# Altium PCB Lora NG V2.1.PcbDoc
Units mm, origin at the board's own origin, x right, y up, seen from the top; angles counter-clockwise.
Board outline 46.02 x 32 mm, 2 copper layers (Top Layer, Bottom Layer); 53 components, 56 nets, 239 pads, 91 vias.
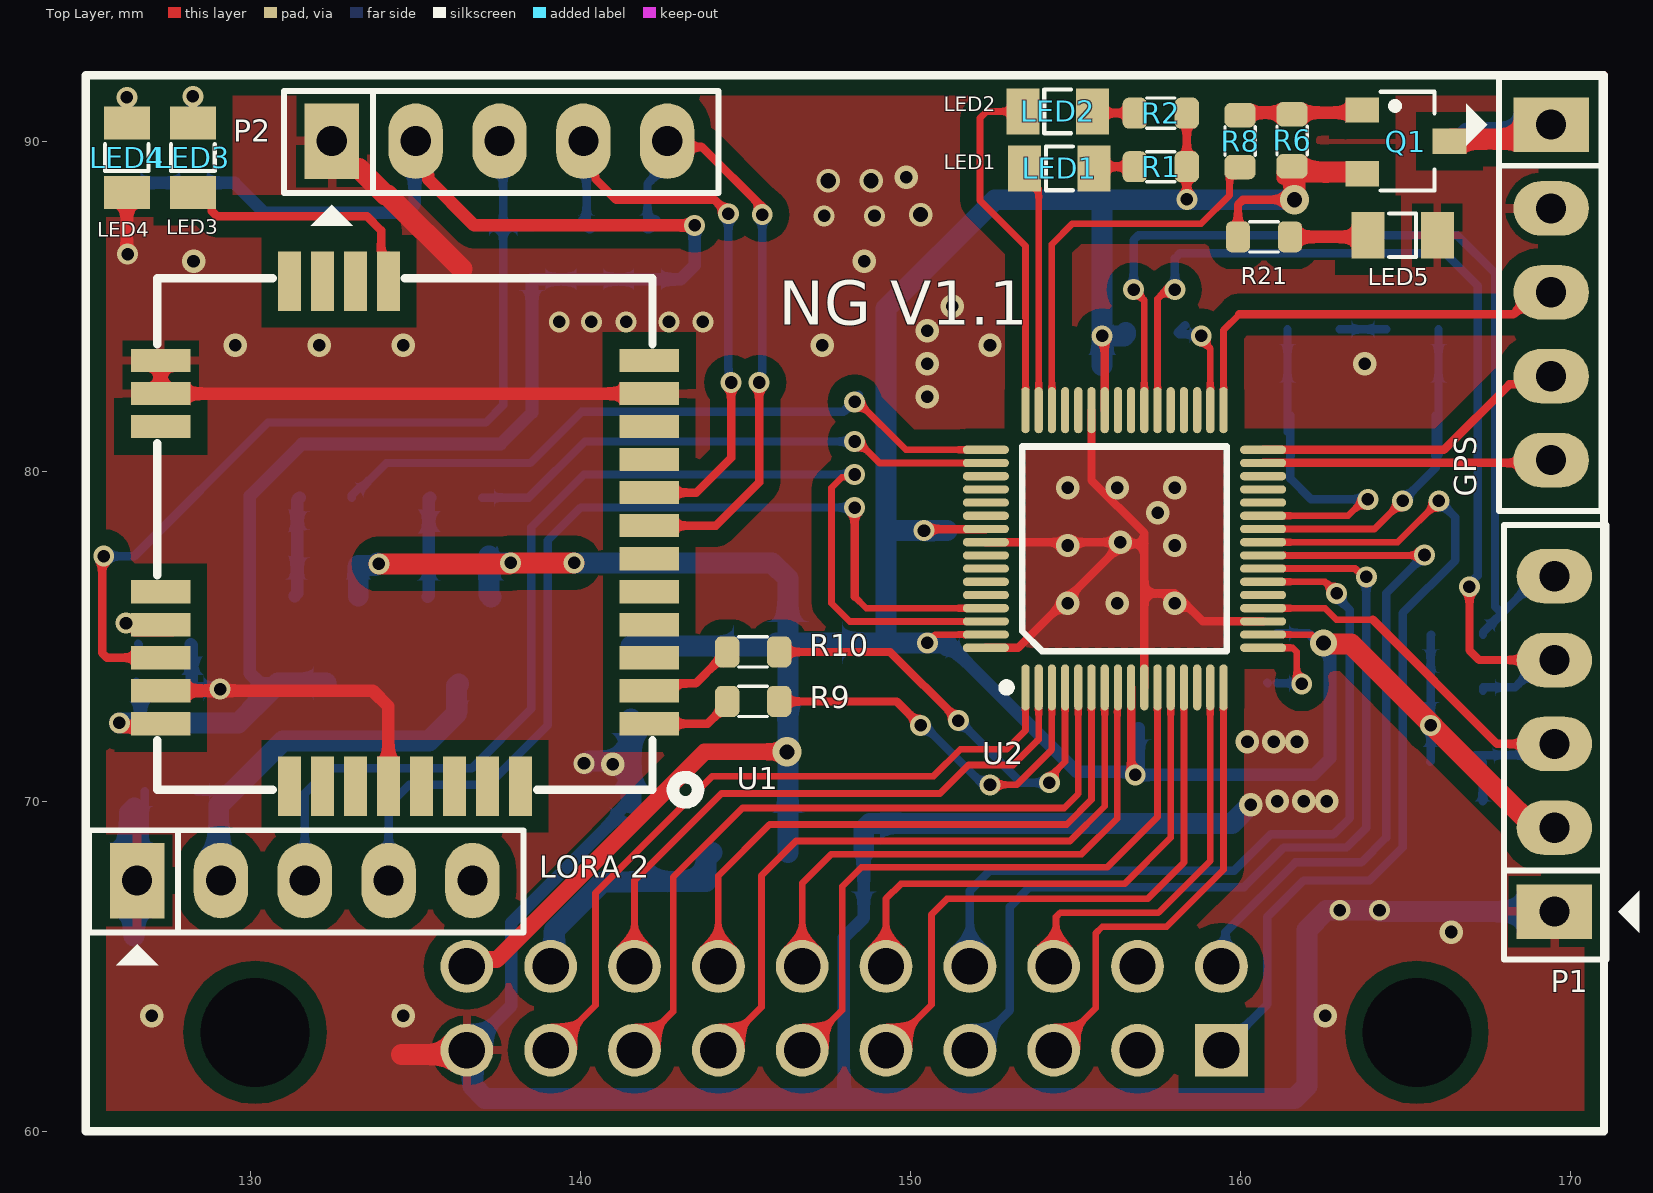
[diagram p0: Top Layer view]
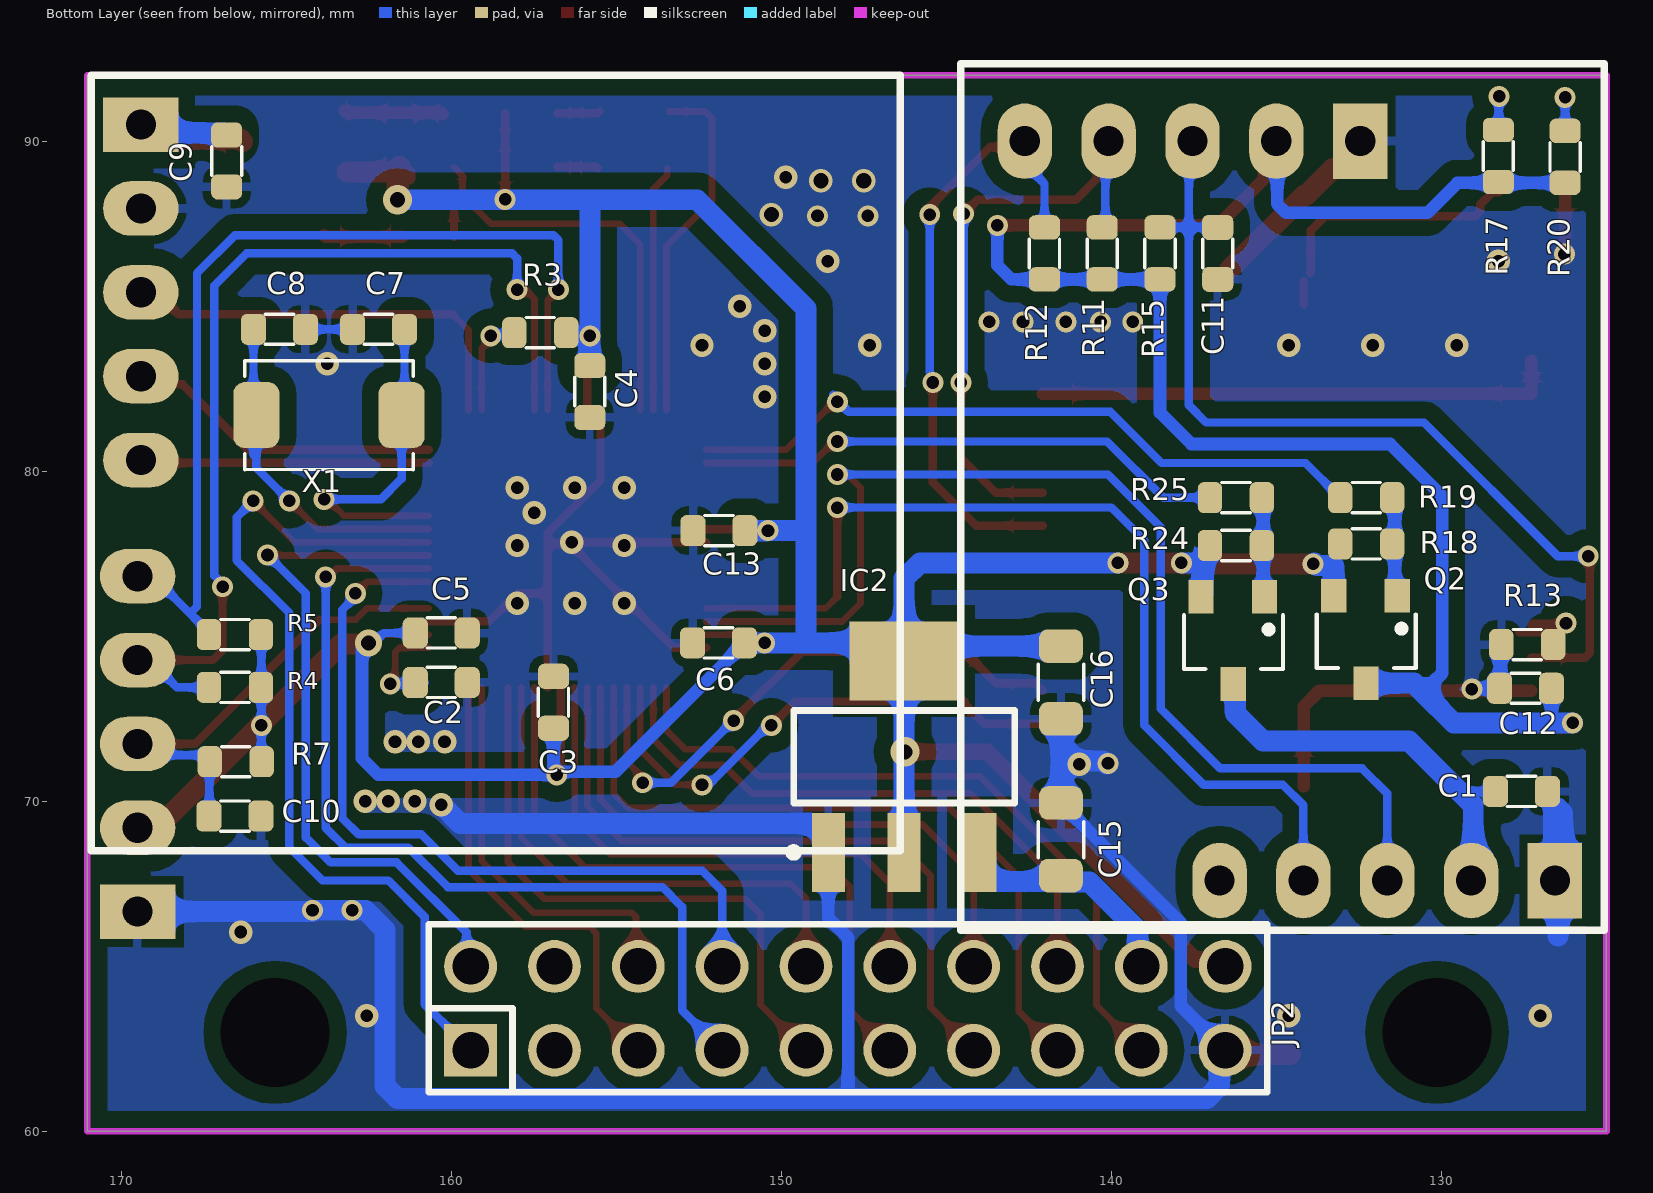
[diagram p1: Bottom Layer view, seen from below]
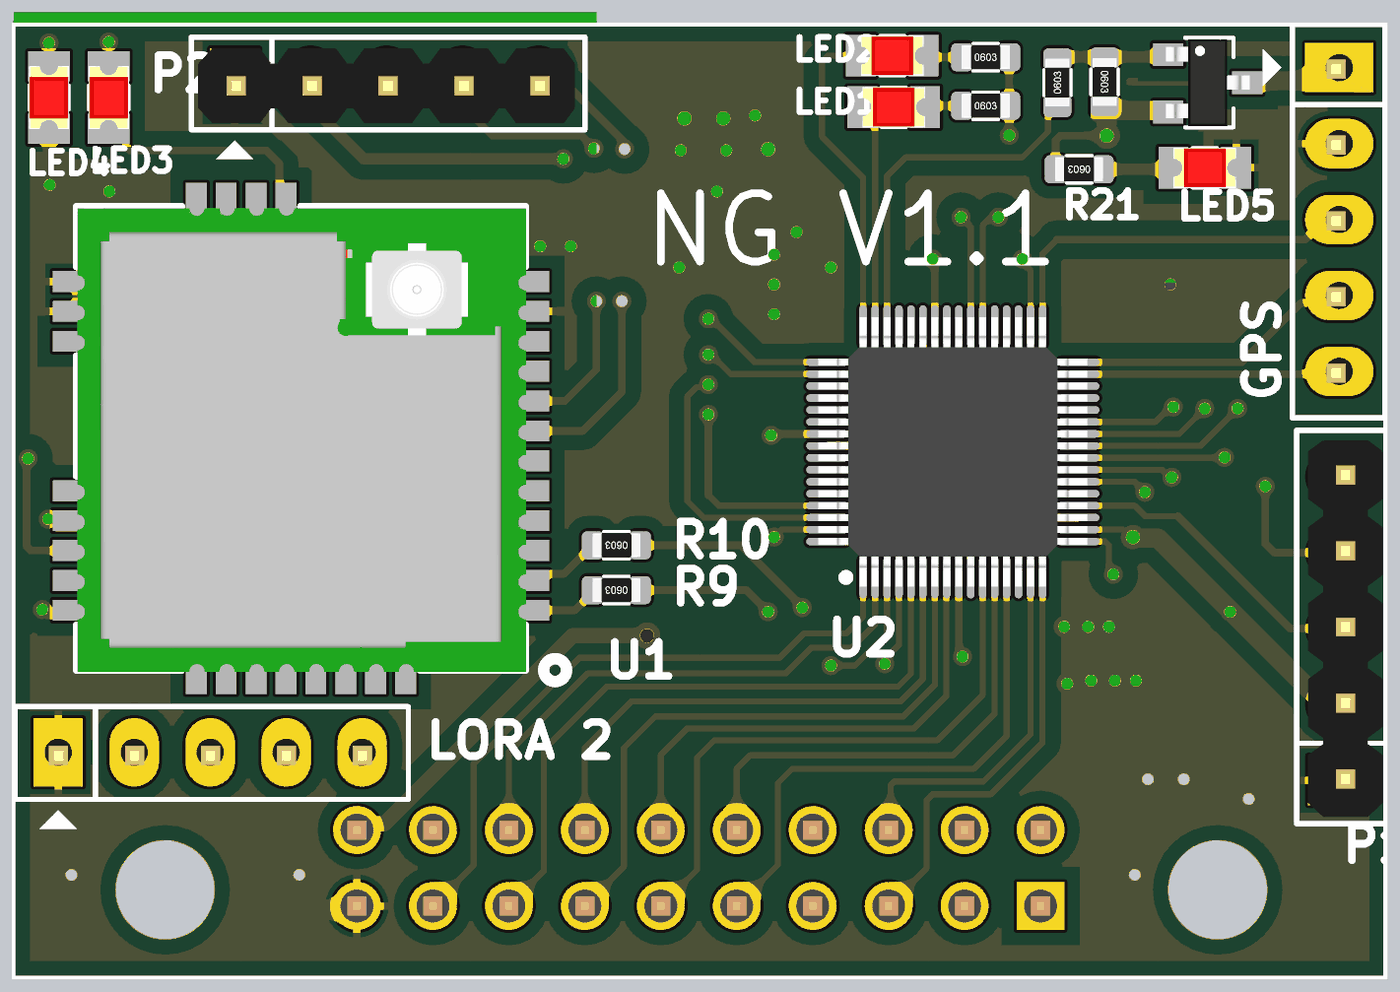
[diagram p2: 3D render of the assembled board from above, using the file's embedded part models]
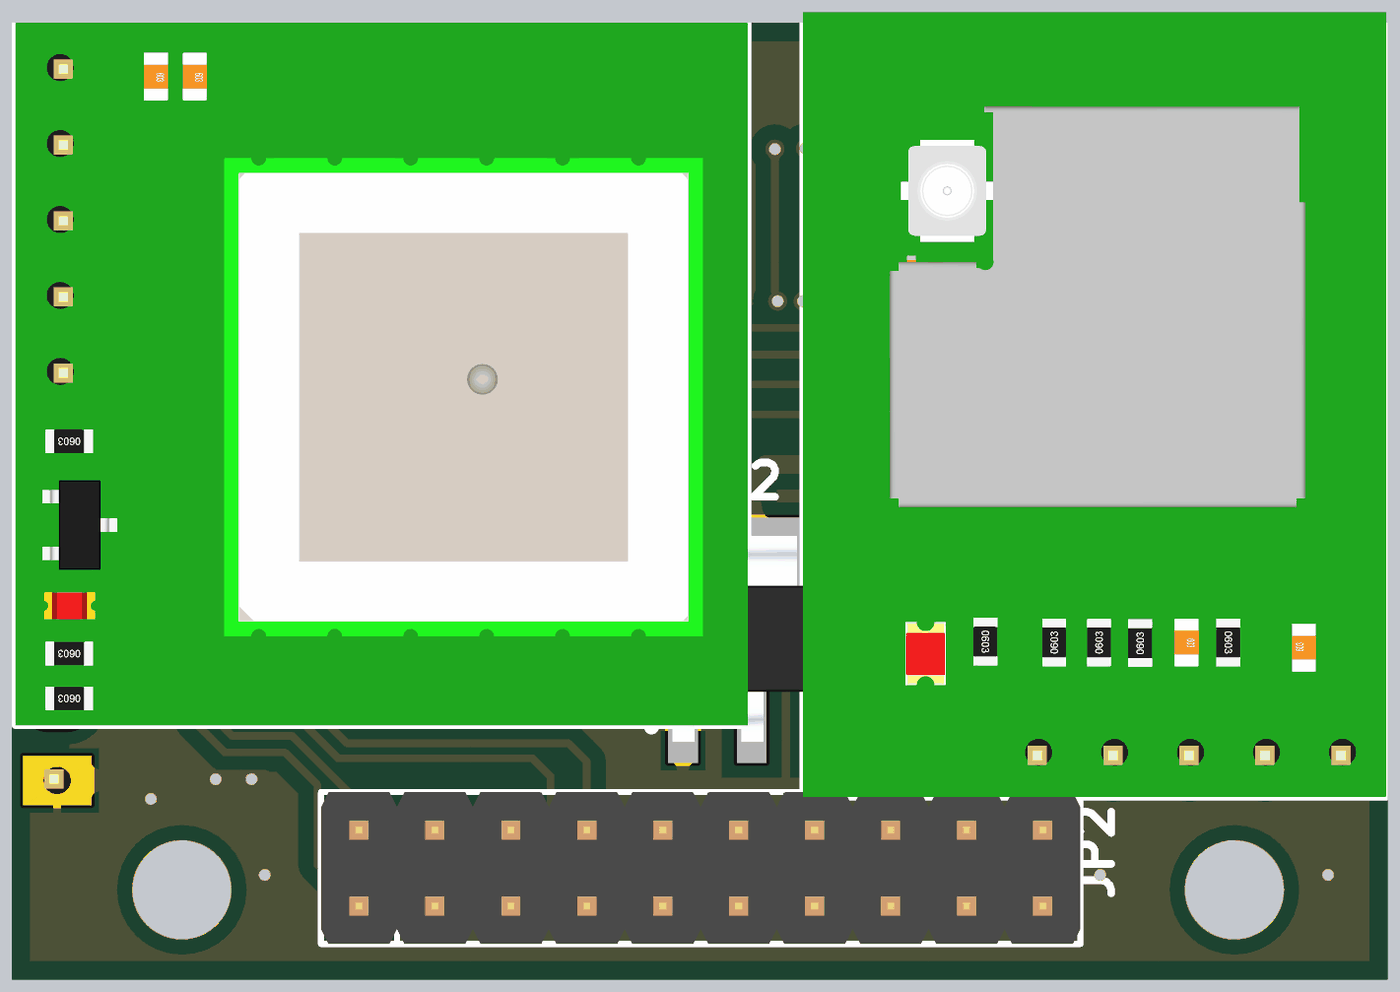
[diagram p3: 3D render of the assembled board from below, using the file's embedded part models]

## Layer stack, top to bottom
Top Solder: solder mask 0.0102, Solder Resist, Dk 3.5
Top Layer: signal copper 0.0356
Dielectric 1: dielectric 0.32, FR-4, Dk 4.8
Bottom Layer: signal copper 0.0356
Bottom Solder: solder mask 0.0102, Solder Resist, Dk 3.5

## Board outline
125,60 171.025,60 171.025,92 125,92

## Design rules (kind name [scope] priority, off if disabled: settings)
Clearance Clearance_2 [InPolygon] p1: gap=0.508 ignorepadtopadclearanceinfootprint=FALSE
Clearance Clearance_1 [OnLayer('Keep-Out Layer')] p2: gap=0.076 ignorepadtopadclearanceinfootprint=FALSE
Clearance [All] p3: gap=0.127 ignorepadtopadclearanceinfootprint=FALSE
PolygonConnect PolygonConnect_1 [isvia] p1: connectstyle=Direct reliefconductorwidth=0.254 reliefentries=4 polygonreliefangle="90 Angle" airgapwidth=0.254
PolygonConnect [All] p2: connectstyle=Relief reliefconductorwidth=0.254 reliefentries=4 polygonreliefangle="90 Angle" airgapwidth=0.254
RoutingVias [All] p1: holewidth=0.381 width=0.635 viastyle="Through Hole" minholewidth=0.381 minwidth=0.635 maxholewidth=0.381 maxwidth=0.635
SolderMaskExpansion [All] p1: expansion=0.102
Width [All] p1: maxlimit=0.635 minlimit=0.203 preferedwidth=0.254
30 further rules are at their usual default settings.

## Classes and differential pairs
component class "lora RAK3172": C11 LED3 LED4 P2 R9 R10 R11 R12 R13 R15 R17 R20 U1
component class HT32F12364: C1 C2 C3 C4 C5 C6 C7 C8 C9 C10 C12 C13 C15 C16 GPS IC2 JP2 LED1 LED2 LED5 "LORA 2" P1 Q1 Q2 Q3 R2 R3 R4 R5 R6 R7 R8 R18 R19 R21 R24 R25 U2 X1

## Components (designator, comment, footprint, x,y, rotation, side; value= is the part's Value field where it differs from the comment)
C1 "1uF" C-0603 127.575,70.3 r180 bottom value=103
C2 "2.2uF" C-0603 160.3,73.6 r180 bottom value=103
C3 "100nF" C-0603 156.9,73 r90 bottom value=103
C4 "100nF" C-0603 155.8,82.413 r270 bottom value=103
C5 "100nF" C-0603 160.3,75.1 r180 bottom value=103
C6 "100nF" C-0603 151.9,74.8 r0 bottom value=103
C7 "12pF" C-0603 165.2,84.3 r180 bottom value=103
C8 "12pF" C-0603 162.2,84.3 r0 bottom value=103
C9 "1uF" C-0603 166.8,89.4 r270 bottom value=103
C10 "100nF" C-0603 166.55,69.55 r180 bottom value=103
C11 "100nF" C-0603 136.775,86.6 r270 bottom value=103
C12 "1uF" C-0603 127.45,73.425 r0 bottom value=103
C13 "100nF" C-0603 151.887,78.2 r0 bottom value=103
C15 "10uF" C-0805 141.525,68.85 r270 bottom value=100nF
C16 "10uF" C-0805 141.525,73.6 r90 bottom value=100nF
GPS "Neo-6m" "QUECTEL L80 MODULE" 170.9,92 r0 top locked
IC2 "LM1117-3.3V" SOT223-4N 146.275,71.35 r90 bottom
JP2 "JP10x2" JP10-D2T 147.98,63.73 r180 bottom
LED1 "LED" LED-0805 154.5,89.175 r180 top value="LED 3 ly Single Colour"
LED2 "LED" LED-0805 154.45,90.9 r180 top value="LED 3 ly Single Colour"
LED3 "LED" LED-0805 128.25,89.5 r270 top value="LED 3 ly Single Colour"
LED4 "LED" LED-0805 126.25,89.5 r270 top value="LED 3 ly Single Colour"
LED5 "LED RED" LED-0805 164.9,87.15 r0 top value="LED 3 ly Single Colour"
"LORA 2" "Header 5" "RAK3172 MODULE 2" 126.56,67.6 r0 top locked
P1 "Header 5" JP5 169.5,66.66 r90 top
P2 "Header 5" JP5 132.46,90 r0 top
Q1 "IRLML6401" SOT23 165,90 r270 top
Q2 "IRLML6401" SOT23 132.275,74.9 r0 bottom
Q3 "IRLML6401" SOT23 136.3,74.875 r0 bottom
R1 "1k" R-0603 157.575,89.225 r0 top value="R1/4W - 1K"
R2 "1k" R-0603 157.575,90.85 r0 top value="R1/4W - 1K"
R3 "10K" R-0603 157.3,84.2 r0 bottom value="R1/4W - 1K"
R4 "10k" R-0603 166.55,73.45 r0 bottom value="R1/4W - 1K"
R5 "10k" R-0603 166.55,75.05 r0 bottom value="R1/4W - 1K"
R6 "10k" R-0603 161.55,90.025 r270 top value="R1/4W - 1K"
R7 "10k" R-0603 166.525,71.2 r180 bottom value="R1/4W - 1K"
R8 "100R" R-0603 159.975,90 r90 top value="R1/4W - 1K"
R9 "1k" R-0603 145.225,73.025 r180 top value="R1/4W - 1K"
R10 "1k" R-0603 145.225,74.525 r180 top value="R1/4W - 1K"
R11 "10k" R-0603 140.275,86.6 r90 bottom value="R1/4W - 1K"
R12 "10k" R-0603 142.025,86.6 r90 bottom value="R1/4W - 1K"
R13 "10k" R-0603 127.4,74.75 r180 bottom value="R1/4W - 1K"
R15 "10k" R-0603 138.525,86.6 r270 bottom value="R1/4W - 1K"
R17 "1k" R-0603 128.275,89.55 r270 bottom value="R1/4W - 1K"
R18 "10k" R-0603 132.275,77.8 r0 bottom value="R1/4W - 1K"
R19 "100R" R-0603 132.275,79.2 r180 bottom value="R1/4W - 1K"
R20 "1k" R-0603 126.25,89.525 r270 bottom value="R1/4W - 1K"
R21 "1k" R-0603 160.7,87.1 r180 top value="R1/4W - 1K"
R24 "10k" R-0603 136.225,77.75 r0 bottom value="R1/4W - 1K"
R25 "100R" R-0603 136.225,79.2 r180 bottom value="R1/4W - 1K"
U1 "RAK3172" "RAK3172 MODULE" 142.175,70.35 r270 top
U2 "Holtek-HT32F12364" LQFP-64PIN-7mmx7mm 153.475,73.45 r90 top
X1 "8Mhz" "XT2 - DAN - 5032" 163.7,81.7 r180 bottom value=4Mhz

## Footprints (in the part's own frame and the unit in brackets; to place one, negate y for a bottom-side part, rotate by r counter-clockwise, add the part's x,y. Pads: shape width x height; smd on the part's side, far side on the other; paste and mask are expansions set on the pad)
C-0603 [mil] "Chip Capacitor; Body 1.6 x 0.8 mm (LxW typ)"
  rrect50% 30x37 smd: 1(-31,0) 2(31,0)
  silkscreen extent -17,-18 17,18, body extent -31,-16 31,16, height 12
C-0805 [mil] "Compoment SMD 80x50mil"
  rrect50% 40x52 smd: 1(-43.31,0) 2(43.31,0)
  silkscreen extent -21,-27 22,27, body extent -39,-26 39,24, height 31
JP5 [mil] "JP5"
  rect 65x90 hole 36: 1(0,0)
  oval 65x90 hole 36: 2(100,0) 3(200,0) 4(300,0) 5(400,0)
  silkscreen extent -57,-101 461,60, body extent -48,-53 448,45, height 323
JP10-D2T [mm] "20 pins, dual pin, straight, gold plating"
  rect 1.6x1.6 hole 1.1: 1(-11.43,-1.27)
  round 1.6 hole 1.1: 2(-8.89,-1.27) 3(-6.35,-1.27) 4(-3.81,-1.27) 5(-1.27,-1.27) 6(1.27,-1.27) 7(3.81,-1.27) 8(6.35,-1.27) 9(8.89,-1.27) 10(11.43,-1.27) 11(11.43,1.27) 12(8.89,1.27) 13(6.35,1.27) 14(3.81,1.27) 15(1.27,1.27) 16(-1.27,1.27) 17(-3.81,1.27) 18(-6.35,1.27) 19(-8.89,1.27) 20(-11.43,1.27)
  silkscreen extent -12.7,-2.54 12.7,2.54, body extent -12.7,-2.54 12.7,2.54, height 8.55
LED-0805 [mm]
  rect 1x1.397 smd: 1(-1.05,0) 2(1.05,0)
  silkscreen extent -0.41,-0.66 0.41,0.66, body extent -1.05,-0.67 1.05,0.68, height 0.9
LQFP-64PIN-7mmx7mm [mm]
  oval 1.4x0.25 smd: 1(0,0) 2(0,-0.4) 3(0,-0.8) 4(0,-1.2) 5(0,-1.6) 6(0,-2) 7(0,-2.4) 8(0,-2.8) 9(0,-3.2) 10(0,-3.6) 11(0,-4) 12(0,-4.4) 13(0,-4.8) 14(0,-5.2) 15(0,-5.6) 16(0,-6) 33(8.4,-6) 34(8.4,-5.6) 35(8.4,-5.2) 36(8.4,-4.8) 37(8.4,-4.4) 38(8.4,-4) 39(8.4,-3.6) 40(8.4,-3.2) 41(8.4,-2.8) 42(8.4,-2.4) 43(8.4,-2) 44(8.4,-1.6) 45(8.4,-1.2) 46(8.4,-0.8) 47(8.4,-0.4) 48(8.4,0)
  oval 0.25x1.4 smd: 17(1.2,-7.2) 18(1.6,-7.2) 19(2,-7.2) 20(2.4,-7.2) 21(2.8,-7.2) 22(3.2,-7.2) 23(3.6,-7.2) 24(4,-7.2) 25(4.4,-7.2) 26(4.8,-7.2) 27(5.2,-7.2) 28(5.6,-7.2) 29(6,-7.2) 30(6.4,-7.2) 31(6.8,-7.2) 32(7.2,-7.2) 49(7.2,1.2) 50(6.8,1.2) 51(6.4,1.2) 52(6,1.2) 53(5.6,1.2) 54(5.2,1.2) 55(4.8,1.2) 56(4.4,1.2) 57(4,1.2) 58(3.6,1.2) 59(3.2,1.2) 60(2.8,1.2) 61(2.4,1.2) 62(2,1.2) 63(1.6,1.2) 64(1.2,1.2)
  silkscreen extent -0.12,-6.1 7.3,0.7, body extent -0.3,-7.5 8.7,1.5, height 1.45
"QUECTEL L80 MODULE" [mil]
  rect 90x65 hole 36: 1(-59.06,-59.06)
  oval 90x65 hole 36: 2(-59.06,-159.06) 3(-59.06,-259.06) 4(-59.06,-359.06) 5(-59.06,-459.06)
  silkscreen extent -160,-520 1,-2, body extent -965,-925 0,0, height 205
R-0603 [mil] "Chip Capacitor; Body 1.6 x 0.8 mm (LxW typ)"
  rrect50% 29x37 smd: 1(-31,0) 2(31,0)
  silkscreen extent -17,-18 17,18, body extent -31,-16 31,16, height 17
"RAK3172 MODULE" [mm]
  rect 0.7x1.8 smd: 1(-2,-0.1) 2(-3,-0.1) 3(-4,-0.1) 4(-5,-0.1) 5(-6,-0.1) 6(-7,-0.1) 7(-8,-0.1) 8(-9,-0.1) 9(-10,-0.1) 10(-11,-0.1) 11(-12,-0.1) 12(-13,-0.1) 17(-13,-14.9) 18(-12,-14.9) 19(-11,-14.9) 20(-6,-14.9) 21(-5,-14.9) 22(-4,-14.9) 23(-3,-14.9) 24(-2,-14.9)
  rect 1.8x0.7 smd: 13(-15.4,-8) 14(-15.4,-9) 15(-15.4,-10) 16(-15.4,-11) 25(-0.1,-11) 26(-0.1,-10) 27(-0.1,-9) 28(-0.1,-8) 29(-0.1,-7) 30(-0.1,-6) 31(-0.1,-5) 32(-0.1,-4)
  silkscreen extent -15.5,-15 0.38,1.38, body extent -15.45,-14.97 0.05,0.02, height 3.5
"RAK3172 MODULE 2" [mil]
  rect 65x90 hole 36: 1(0,0)
  oval 65x90 hole 36: 2(100,0) 3(200,0) 4(300,0) 5(400,0)
  silkscreen extent -57,-101 461,60, body extent -59,-59 709,974, height 205
SOT23 [mil] "SOT 23 _ 1-3-2"
  rect 30x40 smd: 1(-37,-52) 2(38.8,-52) 3(0.2,52)
  silkscreen extent -59,-30 59,34, body extent -57,-55 57,55, height 51
SOT223-4N [mm] "SOT223, 4-Leads, Body 6.5x3.5mm, Pitch 2.3mm, Lead Span 7mm, IPC Medium Density"
  rect 2.4x1 smd: 1(-2.9,2.3) 2(-2.9,0) 3(-2.9,-2.3)
  rect 2.4x3.3 smd: 4(2.9,0)
  silkscreen extent -3.02,-3.35 1.4,3.48, body extent -3.39,-3.27 3.5,3.23, height 1.72
"XT2 - DAN - 5032" [mm]
  rrect50% 1.4x2 smd: 1(-2.2,0) 2(2.2,0)
  silkscreen extent -2.56,-1.65 2.56,1.65, body extent -2.5,-1.6 2.5,1.6, height 1.3

## Part data
C1 C2 C3 C4 C5 C6 C7 C8 C9 C10 C11 C12 C13: library part C, "Cap SMD"
C15 C16: library part CAP, "Cap np  1pF - 472pF"
GPS: library part JP5
IC2: library part LM1117, Creator="Nguyen Ba Bien", Website=http://group3i.net
JP2: library part CON10X2, "Conector 10x2"
LED1 LED2 LED3 LED4: "LED Single colour Green and Red"
LED5: library part LED, "LED Single colour Green and Red"
"LORA 2" P1 P2: "Header, 5-Pin", LatestRevisionDate=17-Jul-2002, LatestRevisionNote="Re-released for DXP Platform.", Publisher="Altium Limited"
Q1 Q2 Q3: library part IRLML6302, "HEXFET Power MOSFET", ComponentLink1Description="Manufacturer Link", ComponentLink1URL=http://www.irf.com/, ComponentLink2Description=Datasheet, ComponentLink2URL=http://www.irf.com/product-info/datasheets/data/irlml6302.pdf, DatasheetVersion=Aug-1997, LatestRevisionDate=17-Jul-2002, LatestRevisionNote="Re-released for DXP Platform.", PackageDescription="SOT-23; 3 Leads; Body 3.1 x 2.5 mm, inc. leads (LxW max)", PackageReference=SOT-23, Published=8-Jun-2000, Publisher="Altium Limited"
R1 R2 R3 R4 R5 R6 R7 R8 R9 R10 R11 R12 R13 R15 R17 R18 R19 R20 R21 R24 R25: library part RES, "Resistor 1/4W"
U1: "LORA MODULE"
U2: "http://admin.epi-tech.com.vn//files/20210803/20210803162044_HT32F12364.pdf"
X1: library part XT2, "Crystal For all Crystal 2pin."

## Free pads (board coordinates)
  round 0 hole 3.3: 0(130.134,63) 0(130.134,63) 0(130.134,63) 1(165.334,63) 1(165.334,63) 1(165.334,63)

## Via types
v1: diameter 0.635, hole 0.381, Top Layer to Bottom Layer, tented both sides, 50 vias
v2: diameter 0.711, hole 0.381, Top Layer to Bottom Layer, tented both sides, 35 vias
v3: diameter 0.711, hole 0.457, Top Layer to Bottom Layer, tented both sides, 3 vias
v4: diameter 0.889, hole 0.457, Top Layer to Bottom Layer, tented both sides, 2 vias
v5: diameter 0.813, hole 0.457, Top Layer to Bottom Layer, tented both sides, 1 vias

## Nets (pads, with @x,y where several pads share a name; then routed paths per layer and width w, separated by ;. In a path a pad name is that pad's centre, name@x,y a point inside that pad or via, vN(x,y) a via of type N, cw(c..) or ccw(c..) an arc to the next point about the centre after c; other vN are vias at no path point)
"3V3 LORA": C12.1 P2.2 Q2.3 R11.1 R12.1 R15.2 R17.2 R20.2 U1.24 | length 56.4
  Top Layer w0.381: v1(126.025,72.375) 126.149,72.251 127.176,72.251 U1.24 ; P2.2 135,89.339 135.378,88.961 135.378,88.847 136.775,87.45 v1(143.45,87.45)
  Bottom Layer w0.254: C12.1@126.525,73.612 C12.1@126.538,73.625
  Bottom Layer w0.381: R20.2 129.512,88.738 130.425,87.825 134.7,87.825 134.975,88.1 134.975,89.975 P2.2 ; 126.575,72.375 126.663,72.463 C12.1 ; 130.55,73.3 129.975,73.875 129.975,79.25 131.55,80.825 137.575,80.825 138.525,81.775 R15.2 R11.1 R12.1 143.025,85.813 143.45,86.238 v1(143.45,87.45)
  Bottom Layer w0.635: v1(126.025,72.375) 126.575,72.375 129.625,72.375 130.55,73.3 130.829,73.579 Q2.3
"3V3 LORA2": "LORA 2.2" C1.1 Q3.3 | length 12.5
  Bottom Layer w0.254: C1.1 129.45,70.3 129.512,70.362
  Bottom Layer w0.635: 129.035,67.725 129.035,69.885 129.45,70.3 ; 129.512,70.362 130.975,71.825 135.4,71.825 136.242,72.667 136.242,73.491 Q3.3
+3.3V: C3.1 C4.1 C5.1 C6.1 C13.1 C16.2 IC2.2 IC2.4 JP2.11 P1.2 Q1.2 Q2.2 Q3.2 R1.2 R2.2 R3.1 R4.1 R5.1 R6.2 R7.2 R18.2 R21.2 R24.2 U2.9 U2.18 U2.42 U2.55 U2.63 | length 128.8
  Top Layer w0.203: v1(150.5,74.8) 150.75,75.05 U2.63 ; U2.18 162.15,75.05
  Top Layer w0.254: v1(150.4,78.2) 150.448,78.248 152.273,78.248 U2.55 ; v1(155.8,84.1) 155.875,84.025 U2.42 ; U2.9 156.675,70.925 v1(156.8,70.8) ; v1(158.362,88.238) R1.2 R2.2 ; R21.2 159.913,88.076 160.061,88.225 v4(161.625,88.225)
  Top Layer w0.381: R6.2@161.271,88.882 R6.2@161.271,89.06 ; 163.159,89.06 Q1.2@163.229,88.99
  Top Layer w0.508: JP2.11 136.759,65.209 137.459,65.209 143.75,71.5 v4(146.25,71.5)
  Top Layer w0.635: v1(133.884,77.191) 137.841,77.191 v1(137.875,77.225) v1(139.8,77.225) ; R6.2 161.574,89.238 161.625,89.187 R6.2@161.625,89.06 ; v4(161.625,88.225) R6.2@161.625,89.06 ; v5(162.5,74.8) 162.534,74.766 163.334,74.766 168.419,69.681 168.427,69.681 168.908,69.2 P1.2 ; 163.159,89.06 R6.2@161.625,89.06
  Bottom Layer w0.254: v1@158.3,88.3 v1(158.362,88.238) ; C5.1 162.049,75.1 162.349,74.8 v5(162.5,74.8) ; R7.2 165.75,71.212 v1(165.75,72.3) 165.75,75.037 R5.1
  Bottom Layer w0.381: C6.1@151.113,74.711 151.303,74.521 151.392,74.521 155.013,70.9 v1@156.52,70.9 ; v1(156.8,70.8) 162.2,70.8 162.7,71.3 v5@162.7,74.483 ; v1@156.9,70.969 C3.1
  Bottom Layer w0.635: Q2.2 133.26,77.15 133.775,77.15 133.85,77.225 v1(133.884,77.191) ; Q3.2 137.222,76.259 137.222,77.439 137.436,77.225 v1(137.875,77.225) ; v1(139.8,77.225) 145.8,77.225 146.275,76.75 IC2.4@146.275,74.8 ; C16.2 145.825,74.7 145.925,74.8 IC2.4@146.275,74.8 ; IC2.2 IC2.4 IC2.4@146.275,74.8 ; 149.3,78.2 v1(150.4,78.2) C13.1 ; C6.1@151.113,74.711 151.113,74.737 151.049,74.8 v1(150.5,74.8) 149.275,74.8 ; C4.1 v1(155.8,84.1) ; R3.1 156.513,84.151 156.462,84.1 v1(155.8,84.1) ; v1@158.3,88.225 155.9,88.225 ; v1@158.362,88.225 v4(161.625,88.225) ; IC2.4@146.275,74.8 149.275,74.8 ; 149.275,74.8 149.25,74.825 149.25,84.925 152.55,88.225 155.9,88.225 ; v1(155.8,84.1) 155.8,88.125 155.9,88.225
+5V: C15.2 IC2.3 JP2.12 | length 7.3
  Bottom Layer w0.635: JP2.12 139.199,65.109 139.199,66.099 140.659,67.559 141.517,67.559 141.525,67.567 143.792,67.567 143.792,68.267 IC2.3
ADC1: JP2.9 U2.1 | length 21.7
  Top Layer w0.203: JP2.9 140.45,63.82 140.45,67.225 143.987,70.763 150.687,70.763 151.5,71.575 152.9,71.575 153.475,72.15 U2.1
ADC3: JP2.14 U2.6 | length 18.4
  Top Layer w0.203: JP2.14 144.17,67.745 145.725,69.3 154.725,69.3 155.475,70.05 U2.6
ADC4: JP2.15 U2.8 | length 16.8
  Top Layer w0.203: JP2.15 146.71,67.51 147.6,68.4 155.175,68.4 156.254,69.479 156.254,73.429 U2.8
ADC8: JP2.7 U2.7 | length 20.7
  Top Layer w0.203: JP2.7 145.475,63.765 145.475,67.75 146.525,68.8 154.825,68.8 155.875,69.85 U2.7
ADC14: JP2.8 U2.5 | length 22.3
  Top Layer w0.203: JP2.8 142.8,63.63 142.8,67.7 144.9,69.8 154.65,69.8 155.075,70.225 U2.5
BOOT0: R3.2 U2.34 | length 3.4
  Top Layer w0.203: v1(158.8,84.1) 158.8,83.983 159.075,83.708 U2.34
  Bottom Layer w0.254: R3.2@158.315,84.427 R3.2 158.137,84.15 158.75,84.15 v1(158.8,84.1)
DALI_RX: JP2.20 U2.24 | length 21.1
  Top Layer w0.203: U2.24 165.55,77.45 v1(165.562,77.462)
  Bottom Layer w0.254: JP2.20 159.532,65.122 159.532,66.032 161.65,68.15 163.65,68.15 164.4,68.9 164.4,76.3 v1(165.562,77.462)
DALI_TX: JP2.1 U2.25 | length 26.8
  Top Layer w0.203: U2.25 164.75,77.85 v1(166,79.1)
  Bottom Layer w0.254: JP2.1 160.8,63.85 160.8,66.5 161.9,67.6 163.9,67.6 164.9,68.6 164.9,75.7 166.5,77.3 166.5,78.6 v1(166,79.1)
GND: "LORA 2.1" C1.2 C2.2 C3.2 C4.2 C5.2 C6.2 C7.2 C8.2 C9.2 C10.2 C11.2 C12.2 C13.2 C15.1 C16.1 GPS.2 IC2.1 JP2.10 LED4.2 LED5.2 P1.1 P2.1 R13.1 U1.11 U1.17 U1.18 U1.23 U1.28 U2.10 U2.19 U2.43 U2.56 U2.64 | length 143.7
  Top Layer w0.254: U2.64 153.25,74.65 v2@156.4,77.8 ; U2.56 v2(156.35,77.85) v2@156.4,77.8 ; U2.43 155.475,79.725 157.075,78.125 157.075,77.8 ; U2.10 157.075,76.3 ; U2.19 158.85,75.45 158,76.3 157.075,76.3 ; v2@156.4,77.8 157.075,77.8 ; 157.075,76.3 157.075,77.8
  Top Layer w0.381: LED4.2 126.25,86.6 v1(126.275,86.575) ; U1.23 133.7,73.35 134.175,72.875 U1.28 ; U1.17 U1.18 U1.11
  Top Layer w0.635: 126.49,67.67 126.56,67.6 ; P2.1 132.46,89.683 132.968,89.175 133.285,89.175 134.087,88.373 134.152,88.373 136.4,86.125 ; 134.575,62.325 136.415,62.325 JP2.10
  Bottom Layer w0.254: 126.495,67.725 126.788,68.018 C1.2 ; C8.2 C7.2
  Bottom Layer w0.381: R13.1 128.212,74.725 128.212,73.45 C12.2 129.05,73.425 v1(129.075,73.4) ; JP2.10 137.896,63.806 137.896,65.4 137.9,65.404 137.9,66.325 141.094,69.519 141.094,69.637 141.407,69.95 C15.1 ; 147.975,61 147.975,65.87 148.575,66.47 IC2.1
  Bottom Layer w0.635: 126.325,67.725 126.325,69.65 126.475,69.8 ; 126.465,65.925 126.465,69.525 ; JP2.10 136.735,62.275 136.735,61.372 137.107,61 147.975,61 161.628,61 162,61.372 162,66.1 162.6,66.7 v1(163,66.7) v1(164.2,66.7) ; v1(140.1,71.15) 140.125,71.125 140.15,71.125 140.25,71.225 141.525,71.225 ; C15.1 141.525,71.225 ; C16.1 141.525,71.225 ; IC2.1 148.575,69.15 148.758,69.332 159.732,69.332 v2(160.3,69.9) ; v1@164.2,66.66 P1.1
  other v1: 139.35,84.525 140.325,84.525 141.375,84.525 142.675,84.525 143.7,84.525 147.375,87.737 148.9,87.737
  other v2: 127,63.5 134.62,63.5 162.56,63.5 166.37,66.04 161.1,70 161.9,70 162.6,70 140.97,71.12 160.2,71.8 161,71.8 161.7,71.8 154.75,76 156.25,76 158,76 154.75,77.75 158,77.75 157.48,78.74 154.75,79.5 156.25,79.5 158,79.5 150.5,82.25 150.5,83.25 163.75,83.25 129.54,83.82 132.08,83.82 134.62,83.82 147.32,83.82 152.4,83.82 150.5,84.25 151.25,85 128.27,86.36 148.59,86.36 149.86,88.9
  other v3: 150.3,87.775 147.5,88.8 148.8,88.8
GPS_RX: GPS.4 U2.32 | length 9.6
  Top Layer w0.254: U2.32 166.15,80.65 168.132,82.632 169.152,82.632 GPS.4
GPS_TX: GPS.3 U2.33 | length 12.8
  Top Layer w0.203: U2.33 159.475,84.275 159.95,84.75
  Top Layer w0.254: 159.95,84.75 168.257,84.75 168.927,85.42 GPS.3
I2C2_SCL: JP2.18 U2.15 | length 12.2
  Top Layer w0.203: JP2.18 154.4,65.07 154.4,66.5 154.525,66.625 157.5,66.625 159.075,68.2 U2.15
I2C2_SDA: JP2.3 U2.16 | length 14.3
  Top Layer w0.203: JP2.3 155.6,63.73 155.6,66 155.8,66.2 157.75,66.2 159.475,67.925 U2.16
IN1: JP2.6 U2.11 | length 19.8
  Top Layer w0.203: JP2.6 147.925,63.675 147.925,67.425 148.5,68 155.95,68 157.475,69.525 U2.11
IN2: JP2.16 U2.12 | length 16.2
  Top Layer w0.203: JP2.16 149.475,65.225 149.25,65.45 149.25,67.05 149.7,67.5 156.475,67.5 157.875,68.9 U2.12
IN3: JP2.5 U2.13 | length 18.3
  Top Layer w0.203: JP2.5 150.625,63.835 150.625,66.57 151.1,67.045 157.17,67.045 158.275,68.15 U2.13
LED1: JP2.17 U2.22 | length 24.1
  Top Layer w0.203: U2.22 162.55,76.65 v1(162.9,76.3)
  Bottom Layer w0.254: JP2.17 151.79,67.29 152.4,67.9 159.8,67.9 160.9,69 162.8,69 163.3,69.5 163.3,75.797 162.9,76.197 v1(162.9,76.3)
LED2: JP2.4 U2.23 | length 27.7
  Top Layer w0.203: U2.23 163.465,77.05 163.715,76.8 v1(163.8,76.8)
  Top Layer w0.254: v1@163.8,76.6 v1(163.8,76.8)
  Bottom Layer w0.254: JP2.4 153,63.67 153,66.8 153.6,67.4 160.1,67.4 161.3,68.6 163.2,68.6 163.8,69.2 v1(163.8,76.8)
LED3: LED2.2 U2.48 | length 10.8
  Top Layer w0.203: LED2.2 152.3,90.9 152.1,90.7 152.1,88.2 153.475,86.825 U2.48
LED4: LED1.2 U2.47 | length 7.5
  Top Layer w0.203: LED1.2 153.45,88.976 153.875,88.551 U2.47
LED5: LED3.2 U1.13 | length 8.3
  Top Layer w0.254: LED3.2 128.448,88.45 128.821,88.077 128.821,87.878 128.975,87.725 133.525,87.725 133.952,87.298 133.952,86.023 U1.13@133.975,86 ; U1.13@134.175,85.05 U1.13
LED6: U1.14
"LORA RST": C11.1 P2.3 R15.1 U1.22 | length 28.6
  Top Layer w0.254: v1@125.5,77.425 125.5,74.499 125.649,74.35 U1.22
  Bottom Layer w0.254: v1(125.55,77.425) 126.475,77.425 130.525,81.475 137.125,81.475 137.65,82 137.65,87.387 ; C11.1 137.65,87.387 ; P2.3 137.65,89.89 137.65,87.387 ; R15.1 137.65,87.387
"LORA SWCLK": P2.4 R11.2 U1.8 | length 19.1
  Top Layer w0.254: P2.4 140.08,89.304 140.448,88.937 140.448,88.852 141.075,88.225 144.05,88.225 v1(144.475,87.8) v1@144.471,87.804 ; U1.8 143.505,79.35 144.557,80.402 v1(144.557,82.689)
  Bottom Layer w0.254: P2.4 140.178,89.902 140.178,87.485 R11.2 ; v1(144.475,87.8) 144.475,83.093 144.484,83.084 144.484,82.762 v1(144.557,82.689)
  Bottom Layer w0.381: R11.2@140.095,87.565 R11.2 R11.2
"LORA SWDIO": P2.5 R12.2 U1.7 | length 19.4
  Top Layer w0.254: U1.7 144.1,78.35 145.407,79.657 v1(145.407,82.689) ; P2.5 142.798,89.822 143.678,89.822 145.5,88 v1(145.5,87.775)
  Bottom Layer w0.254: R12.2 142.025,88.709 142.62,89.304 P2.5 ; v1(145.407,82.689) 145.48,82.762 145.48,82.984 145.5,83.004 v1(145.5,87.775)
  Bottom Layer w0.381: R12.2 142.062,87.387 R12.2@142.24,87.565 ; P2.5@142.405,89.785 P2.5
LORARX: R9.1 U2.3 | length 11.6
  Top Layer w0.203: v1(152.4,70.5) 153.2,70.5 154.275,71.575 U2.3
  Top Layer w0.254: R9.1 149.575,73.025 v1(150.3,72.3)
  Bottom Layer w0.254: v1(150.3,72.3) 150.4,72.3 152.2,70.5 v1(152.4,70.5)
"LORARX 2": "LORA 2.4" U2.61 | length 30.2
  Top Layer w0.203: 148.3,76.2 148.65,75.85 U2.61
  Top Layer w0.254: 148.3,76.2 v1(148.3,78.9)
  Bottom Layer w0.254: 134.18,67.6 134.18,69.88 134.8,70.5 137.2,70.5 139,72.3 139,77.9 140,78.9 v1(148.3,78.9)
LORATX: R10.1 U2.4 | length 12.9
  Top Layer w0.203: v1(154.2,70.562) 154.2,70.725 154.675,71.2 U2.4
  Top Layer w0.254: R10.1 149.375,74.525 151.442,72.458 v1(151.442,72.442)
  Bottom Layer w0.254: v1(151.442,72.442) 151.461,72.442 153.341,70.562 v1(154.2,70.562)
"LORATX 2": "LORA 2.3" U2.62 | length 36
  Top Layer w0.203: v1(148.3,79.9) 148.217,79.817 147.917,79.817 147.6,79.5 147.6,76 148.15,75.45 U2.62
  Bottom Layer w0.254: 131.64,67.6 131.9,67.86 131.64,68.12 131.64,70.24 132.4,71 136.7,71 138.5,72.8 138.5,78.3 140.1,79.9 v1(148.3,79.9)
"MCU RST": C10.1 P1.3 R7.1 U2.20 | length 14.3
  Top Layer w0.203: U2.20 162.55,75.85 162.9,75.5 164,75.5
  Top Layer w0.254: 164,75.5 167.76,71.74 P1.3
  Bottom Layer w0.254: R7.1@167.098,71.4 168.464,71.4 168.804,71.74 P1.3 ; R7.1 167.325,71.188 167.325,70 167.365,70.04
NetC2_1: C2.1 U2.17 | length 2.9
  Top Layer w0.203: U2.17 161.57,74.65 161.689,74.531 161.689,73.711 v1(161.845,73.555)
  Bottom Layer w0.254: C2.1@160.8,73.6 C2.1@160.822,73.578 ; C2.1 161.11,73.578 161.822,73.578 v1(161.845,73.555)
NetC7_1: C7.1 U2.26 X1.1 | length 11.6
  Top Layer w0.203: U2.26 164.05,78.25 v1(164.9,79.1)
  Bottom Layer w0.254: v1@164.9,78.9 v1(164.9,79.1) 165.9,80.1 X1.1 ; 165.987,80.487 C7.1
NetC8_1: C8.1 U2.27 X1.2 | length 11.1
  Top Layer w0.203: U2.27 163.25,78.65 163.75,79.15 v1(163.85,79.15)
  Bottom Layer w0.254: X1.2@161.413,81.187 C8.1 ; X1.2 161.5,79.775 162.125,79.15 v1(163.85,79.15) v1@163.9,79.2
NetLED1_1: LED1.1 R1.1 | length 1.3
  Top Layer w0.254: LED1.1 155.6,89.225 R1.1
NetLED2_1: LED2.1 R2.1 | length 1.3
  Top Layer w0.254: LED2.1 155.55,90.85 R2.1
NetLED3_1: LED3.1 R17.1 | length 1
  Bottom Layer w0.254: v1(128.25,91.358) 128.262,91.346 128.262,90.35 R17.1
NetLED4_1: LED4.1 R20.1 | length 1
  Bottom Layer w0.254: R20.1 v1(126.25,91.325)
NetLED5_1: LED5.1 R21.1 | length 2.4
  Top Layer w0.381: R21.1 163.8,87.1 LED5.1
NetQ1_1: Q1.1 R6.1 R8.2 | length 3
  Top Layer w0.381: R8.2@160.25,90.812 160.301,90.864 161.65,90.864 163.178,90.864 Q1.1@163.229,90.915
NetQ2_1: Q2.1 R18.1 R19.2 | length 3
  Bottom Layer w0.381: Q2.1 131.411,76.297 131.411,79.124 R19.2
NetQ3_1: Q3.1 R24.1 R25.2 | length 3
  Bottom Layer w0.381: Q3.1 135.399,76.235 135.399,79.161 R25.2
NetR9_2: R9.2 U1.1 | length 2.7
  Top Layer w0.254: U1.1 143.843,72.35 144.438,72.944 R9.2
NetR10_2: R10.2 U1.2 | length 2.9
  Top Layer w0.254: U1.2 142.298,73.573 143.486,73.573 144.13,74.217 144.201,74.217 144.438,74.454 R10.2
NetR13_2: R13.2 U1.21 | length 2.3
  Top Layer w0.254: v1(126.225,75.4) 126.25,75.375 127.25,75.375 U1.21 ; U1.21@126.495,75.12 U1.21@127.64,75.12
  Bottom Layer w0.254: R13.2@126.588,74.775 R13.2
PSP: GPS.5 U2.31 | length 8.8
  Top Layer w0.254: U2.31 160.677,80.252 169.312,80.252 GPS.5
PWGPS_ON: R8.1 U2.46 | length 12
  Top Layer w0.203: U2.46 154.275,86.875 154.9,87.5 158.8,87.5 159.658,88.358 159.658,88.952 R8.1@159.918,89.213
PWM_OUT: JP2.13 U2.2 | length 18.2
  Top Layer w0.203: JP2.13 141.63,67.605 144.262,70.237 150.887,70.237 151.75,71.1 153.1,71.1 153.875,71.875 U2.2
PWRF_ON: R19.1 U2.49 | length 21.3
  Top Layer w0.203: v1(148.3,82.1) 148.4,82.1 149.85,80.65 U2.49
  Bottom Layer w0.254: R19.1 133.062,79.271 133.299,79.508 133.37,79.508 134.112,80.25 138.475,80.25 140.025,81.8 147.961,81.8 148.261,82.1 v1(148.3,82.1) ; v1@148.25,82.15 v1@148.425,82.325
PWRF_ON2: R25.1 U2.50 | length 16.3
  Top Layer w0.203: v1(148.3,80.9) 148.4,80.9 149.05,80.25 U2.50
  Bottom Layer w0.203: v1@148.359,80.959 148.4,80.918 v1@148.4,80.9
  Bottom Layer w0.254: R25.1 138.425,79.2 140.125,80.9 v1(148.3,80.9)
SWCLK: P1.4 R4.2 U2.38 | length 31.1
  Top Layer w0.203: U2.38 157.475,85.225 157.75,85.5 v1(158,85.5)
  Top Layer w0.254: v1(166.925,76.5) 166.925,74.575 167.22,74.28 P1.4
  Bottom Layer w0.254: v1(158,85.5) 158,86.451 158.149,86.6 166.2,86.6 167.175,85.625 167.175,76.839 166.925,76.589 v1(166.925,76.5) ; R4.2@167.337,73.348 R4.2 168.306,73.45 169.136,74.28 P1.4
SWDIO: P1.5 R5.2 U2.39 | length 30.1
  Top Layer w0.203: v1(156.75,85.5) 157.075,85.175 U2.39
  Bottom Layer w0.203: 167.804,75.796 167.908,75.692
  Bottom Layer w0.254: v1(156.75,85.5) 156.75,87.001 156.899,87.15 166.55,87.15 167.7,86 167.7,75.9 167.804,75.796 ; R5.2 167.337,75.121 167.908,75.692 169.037,76.82 P1.5
Vcc_GPS: C9.1 GPS.1 Q1.3 | length 6
  Top Layer w0.635: Q1.3 166.384,90.058 168.958,90.058 GPS.1
  Bottom Layer w0.635: C9.1 166.863,90.251 169.151,90.251 GPS.1
pads on no net: "LORA 2.5" JP2.2 JP2.19 U1.3 U1.4 U1.5 U1.6 U1.9 U1.10 U1.12 U1.15 U1.16 U1.19 U1.20 U1.25 U1.26 U1.27 U1.29 U1.30 U1.31 U1.32 U2.14 U2.21 U2.28 U2.29 U2.30 U2.35 U2.36 U2.37 U2.40 U2.41 U2.44 U2.45 U2.51 U2.52 U2.53 U2.54 U2.57 U2.58 U2.59 U2.60

## Polygon pours and split planes (outlines as drawn)
GND on Bottom Layer "GND_L02_P001" (solid, remove dead copper, pour order 1): 125,60 171,60 171,92 125,92
GND on Top Layer "GND_L01_P000" (solid, remove dead copper, pour order 0): 125,60 171,60 171,92 125,92

## Keep-outs
Keep-Out Layer:
  the board outline again, w0.203

## Silkscreen, mask and mechanical layers (free items; w line width, h text height)
Top Overlay:
  lines w0.254: 125,60 171,60 171,92 125,92 125,60
  text "NG V1.1" at 146,84 h2.29